# Altium PCB Mixed Signal Board Project_final.PcbDoc (part 1 of 3)
Units mil, origin at the board's own origin, x right, y up, seen from the top; angles counter-clockwise.
Board outline 2764.84 x 2841.08 mil, 4 copper layers (Top Layer, GND, VCC, Bottom Layer), stack 61.614 mil thick; 189 components, 143 nets, 740 pads, 441 vias.
Unrouted connection lines stored in the file: 1.
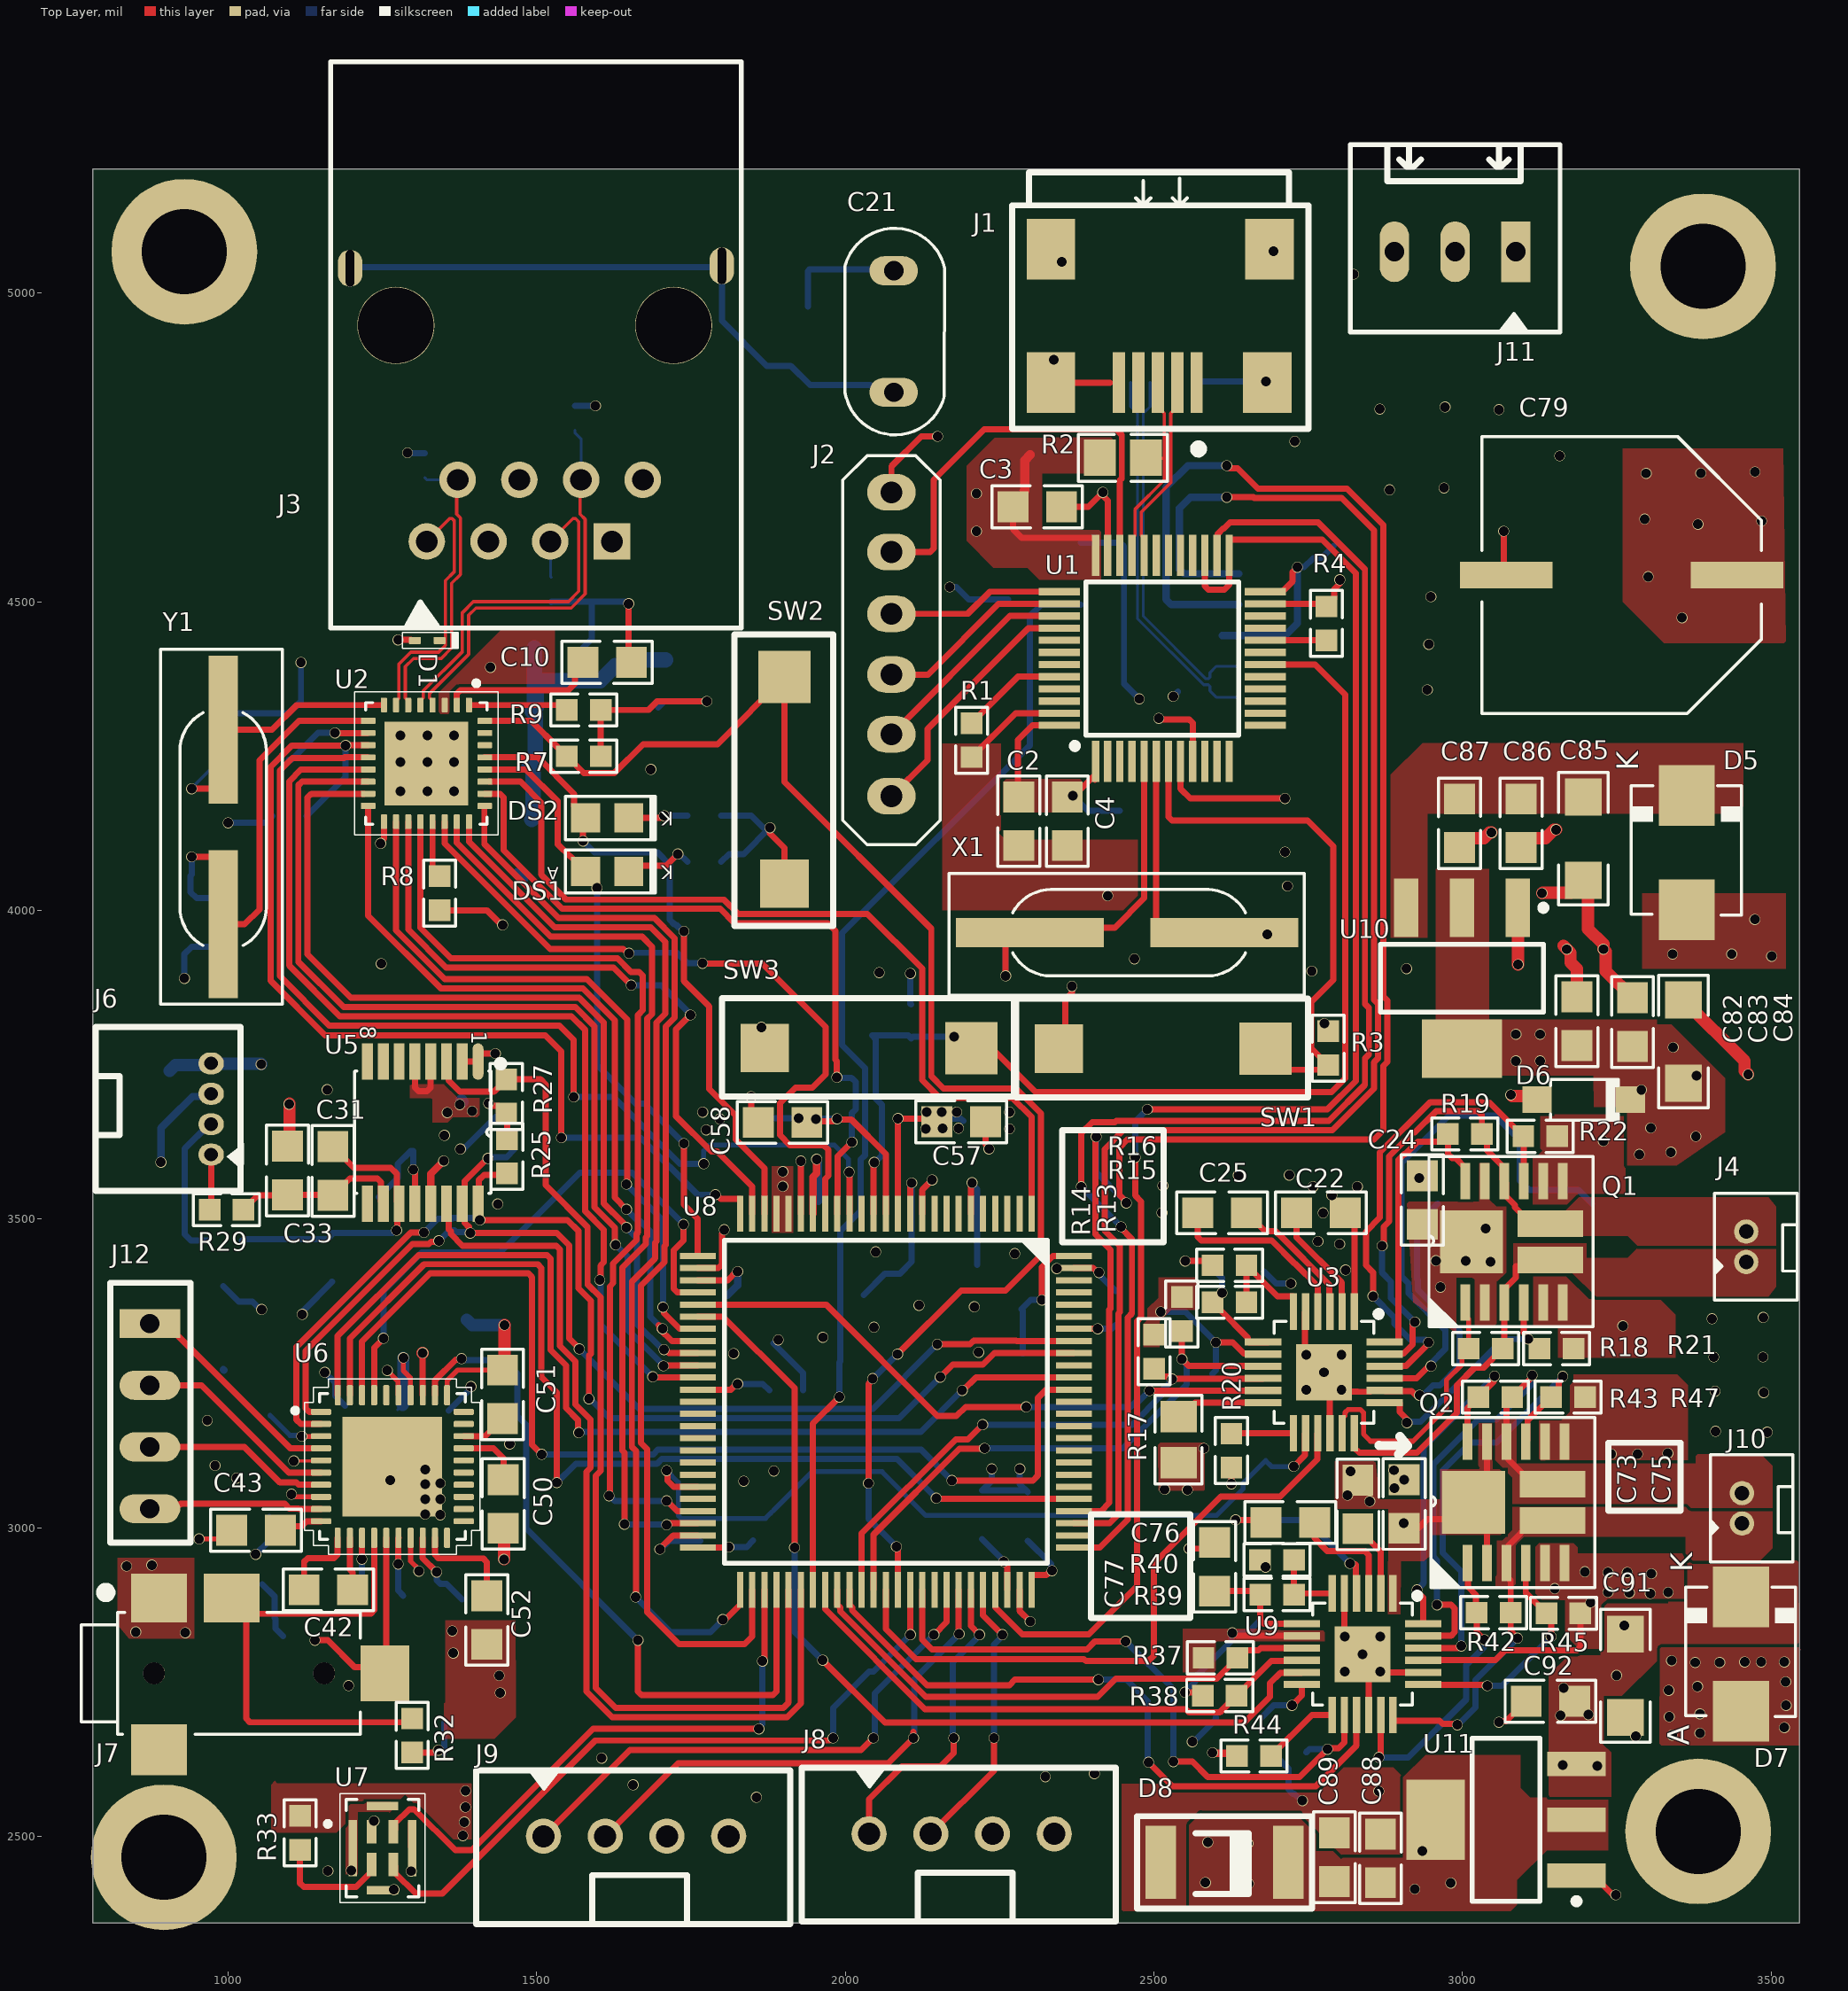
[diagram p0: Top Layer view]
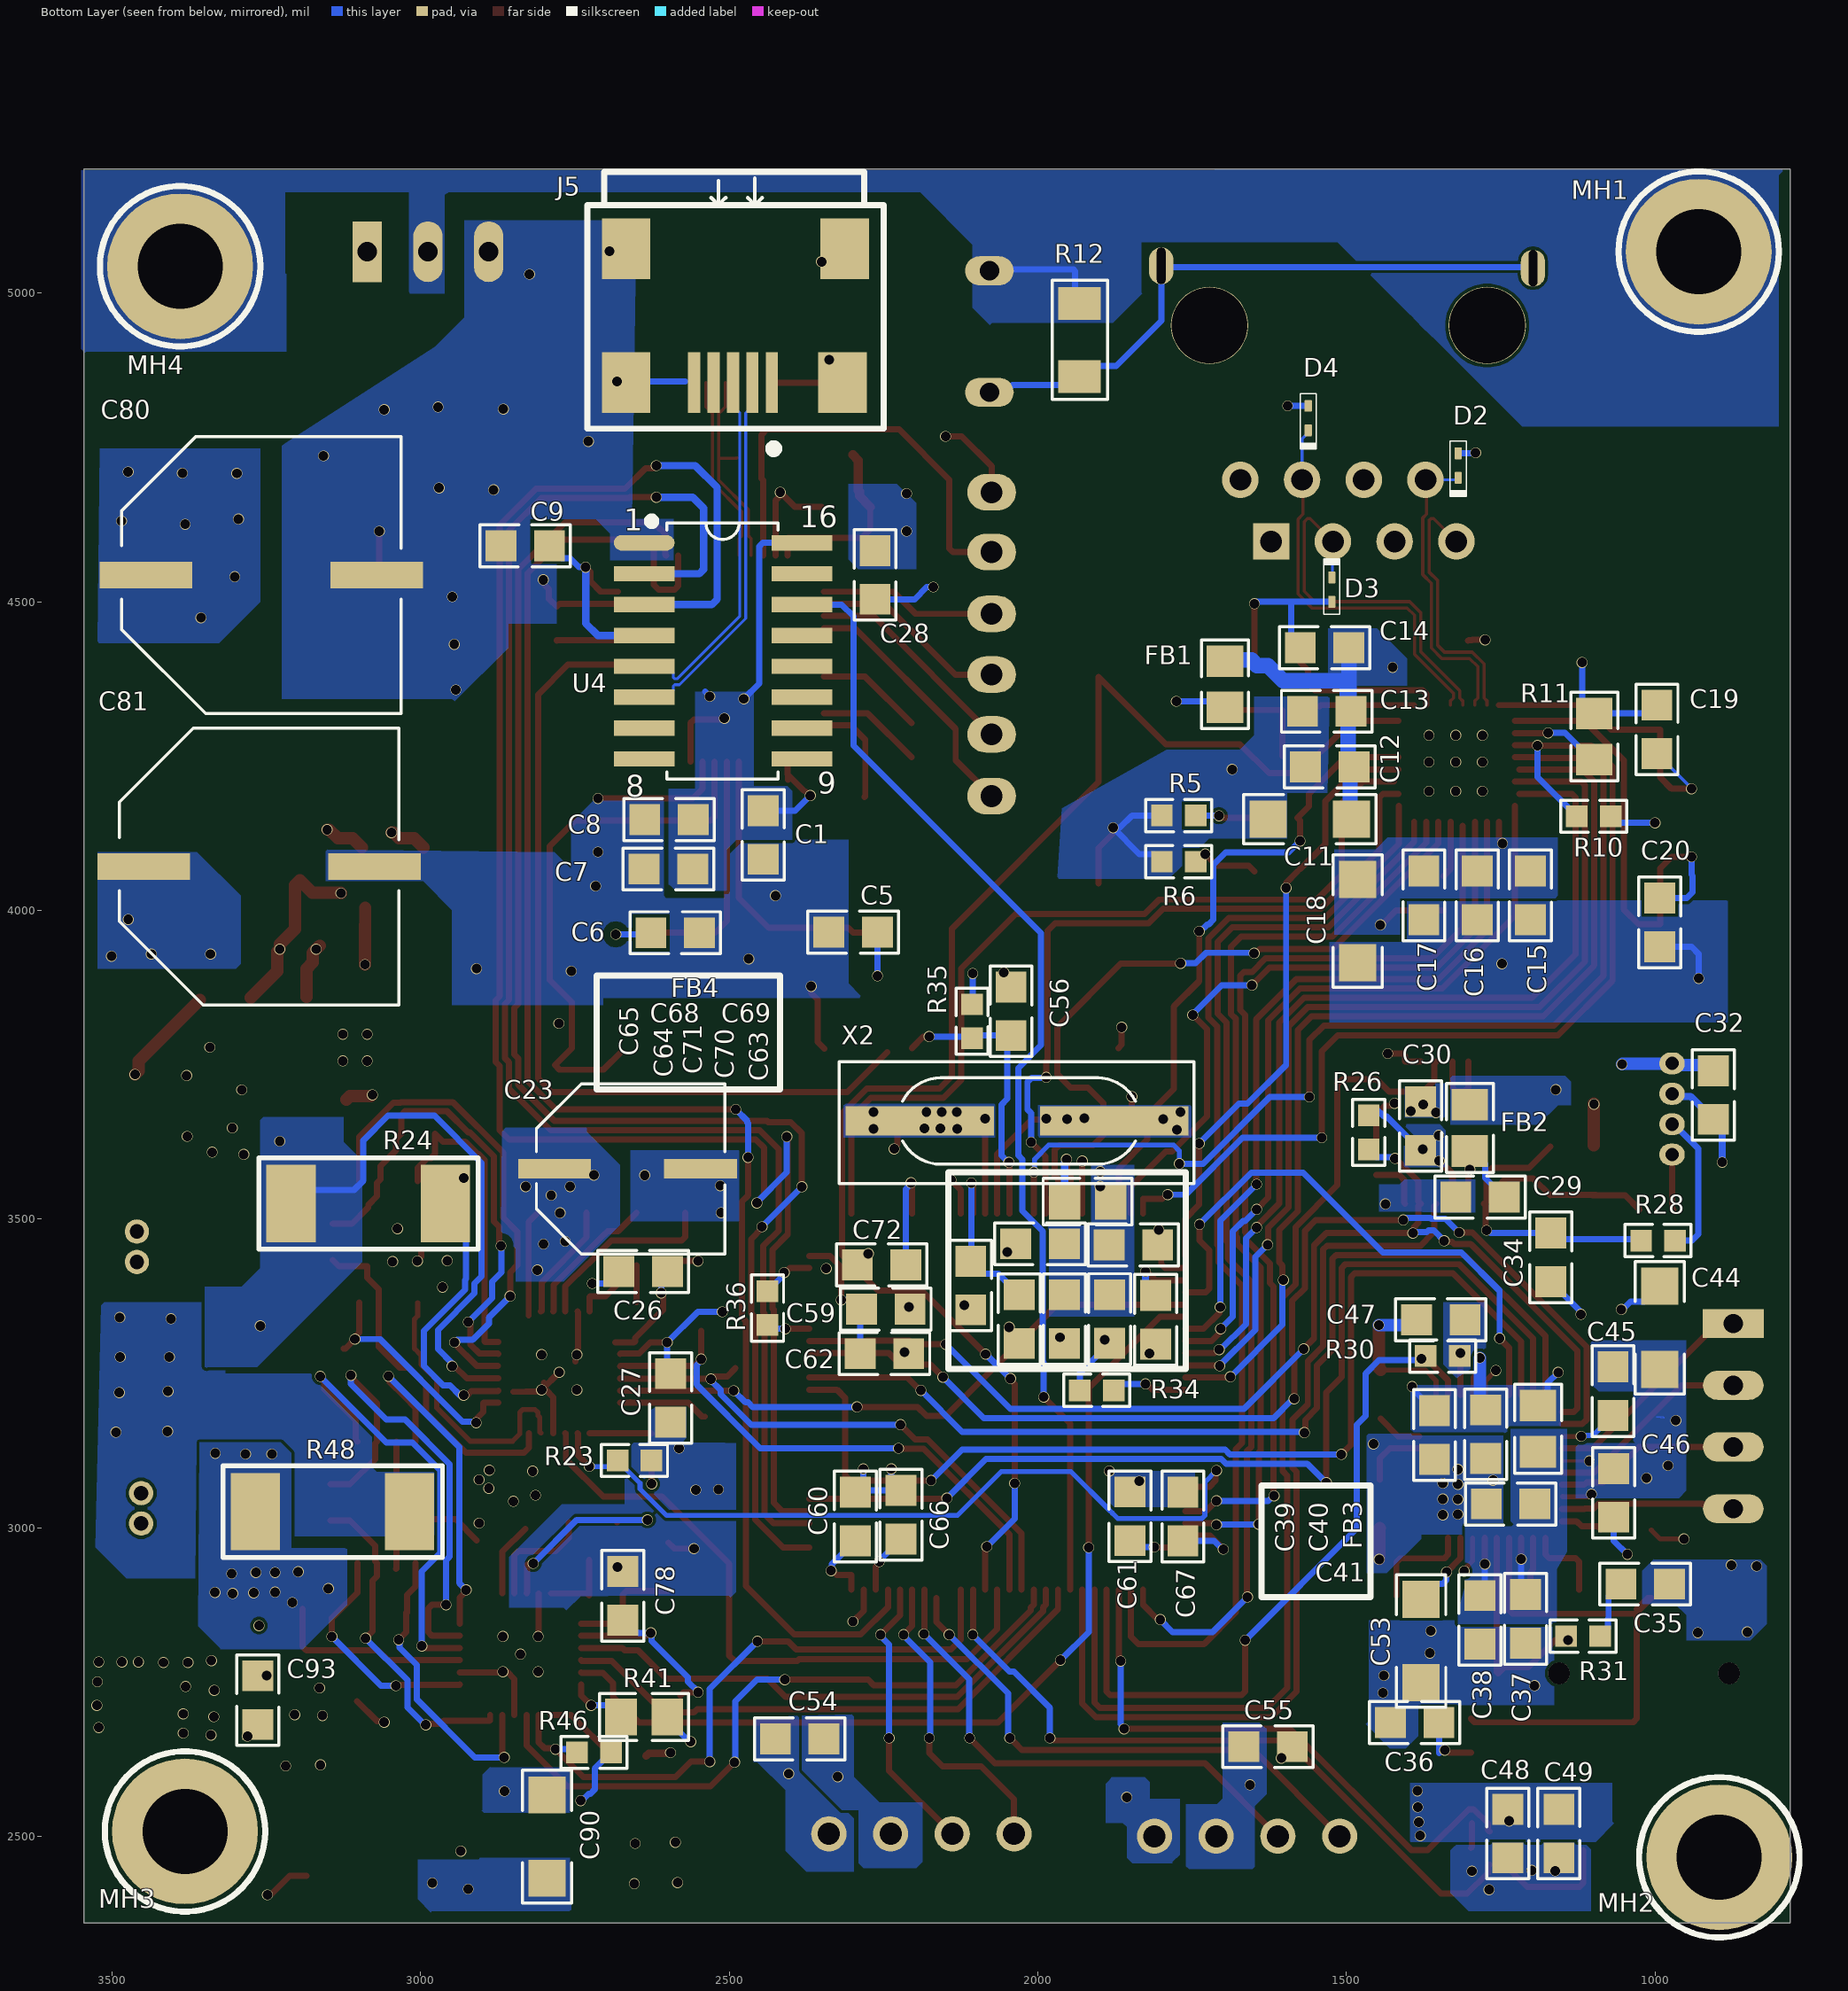
[diagram p1: Bottom Layer view, seen from below]
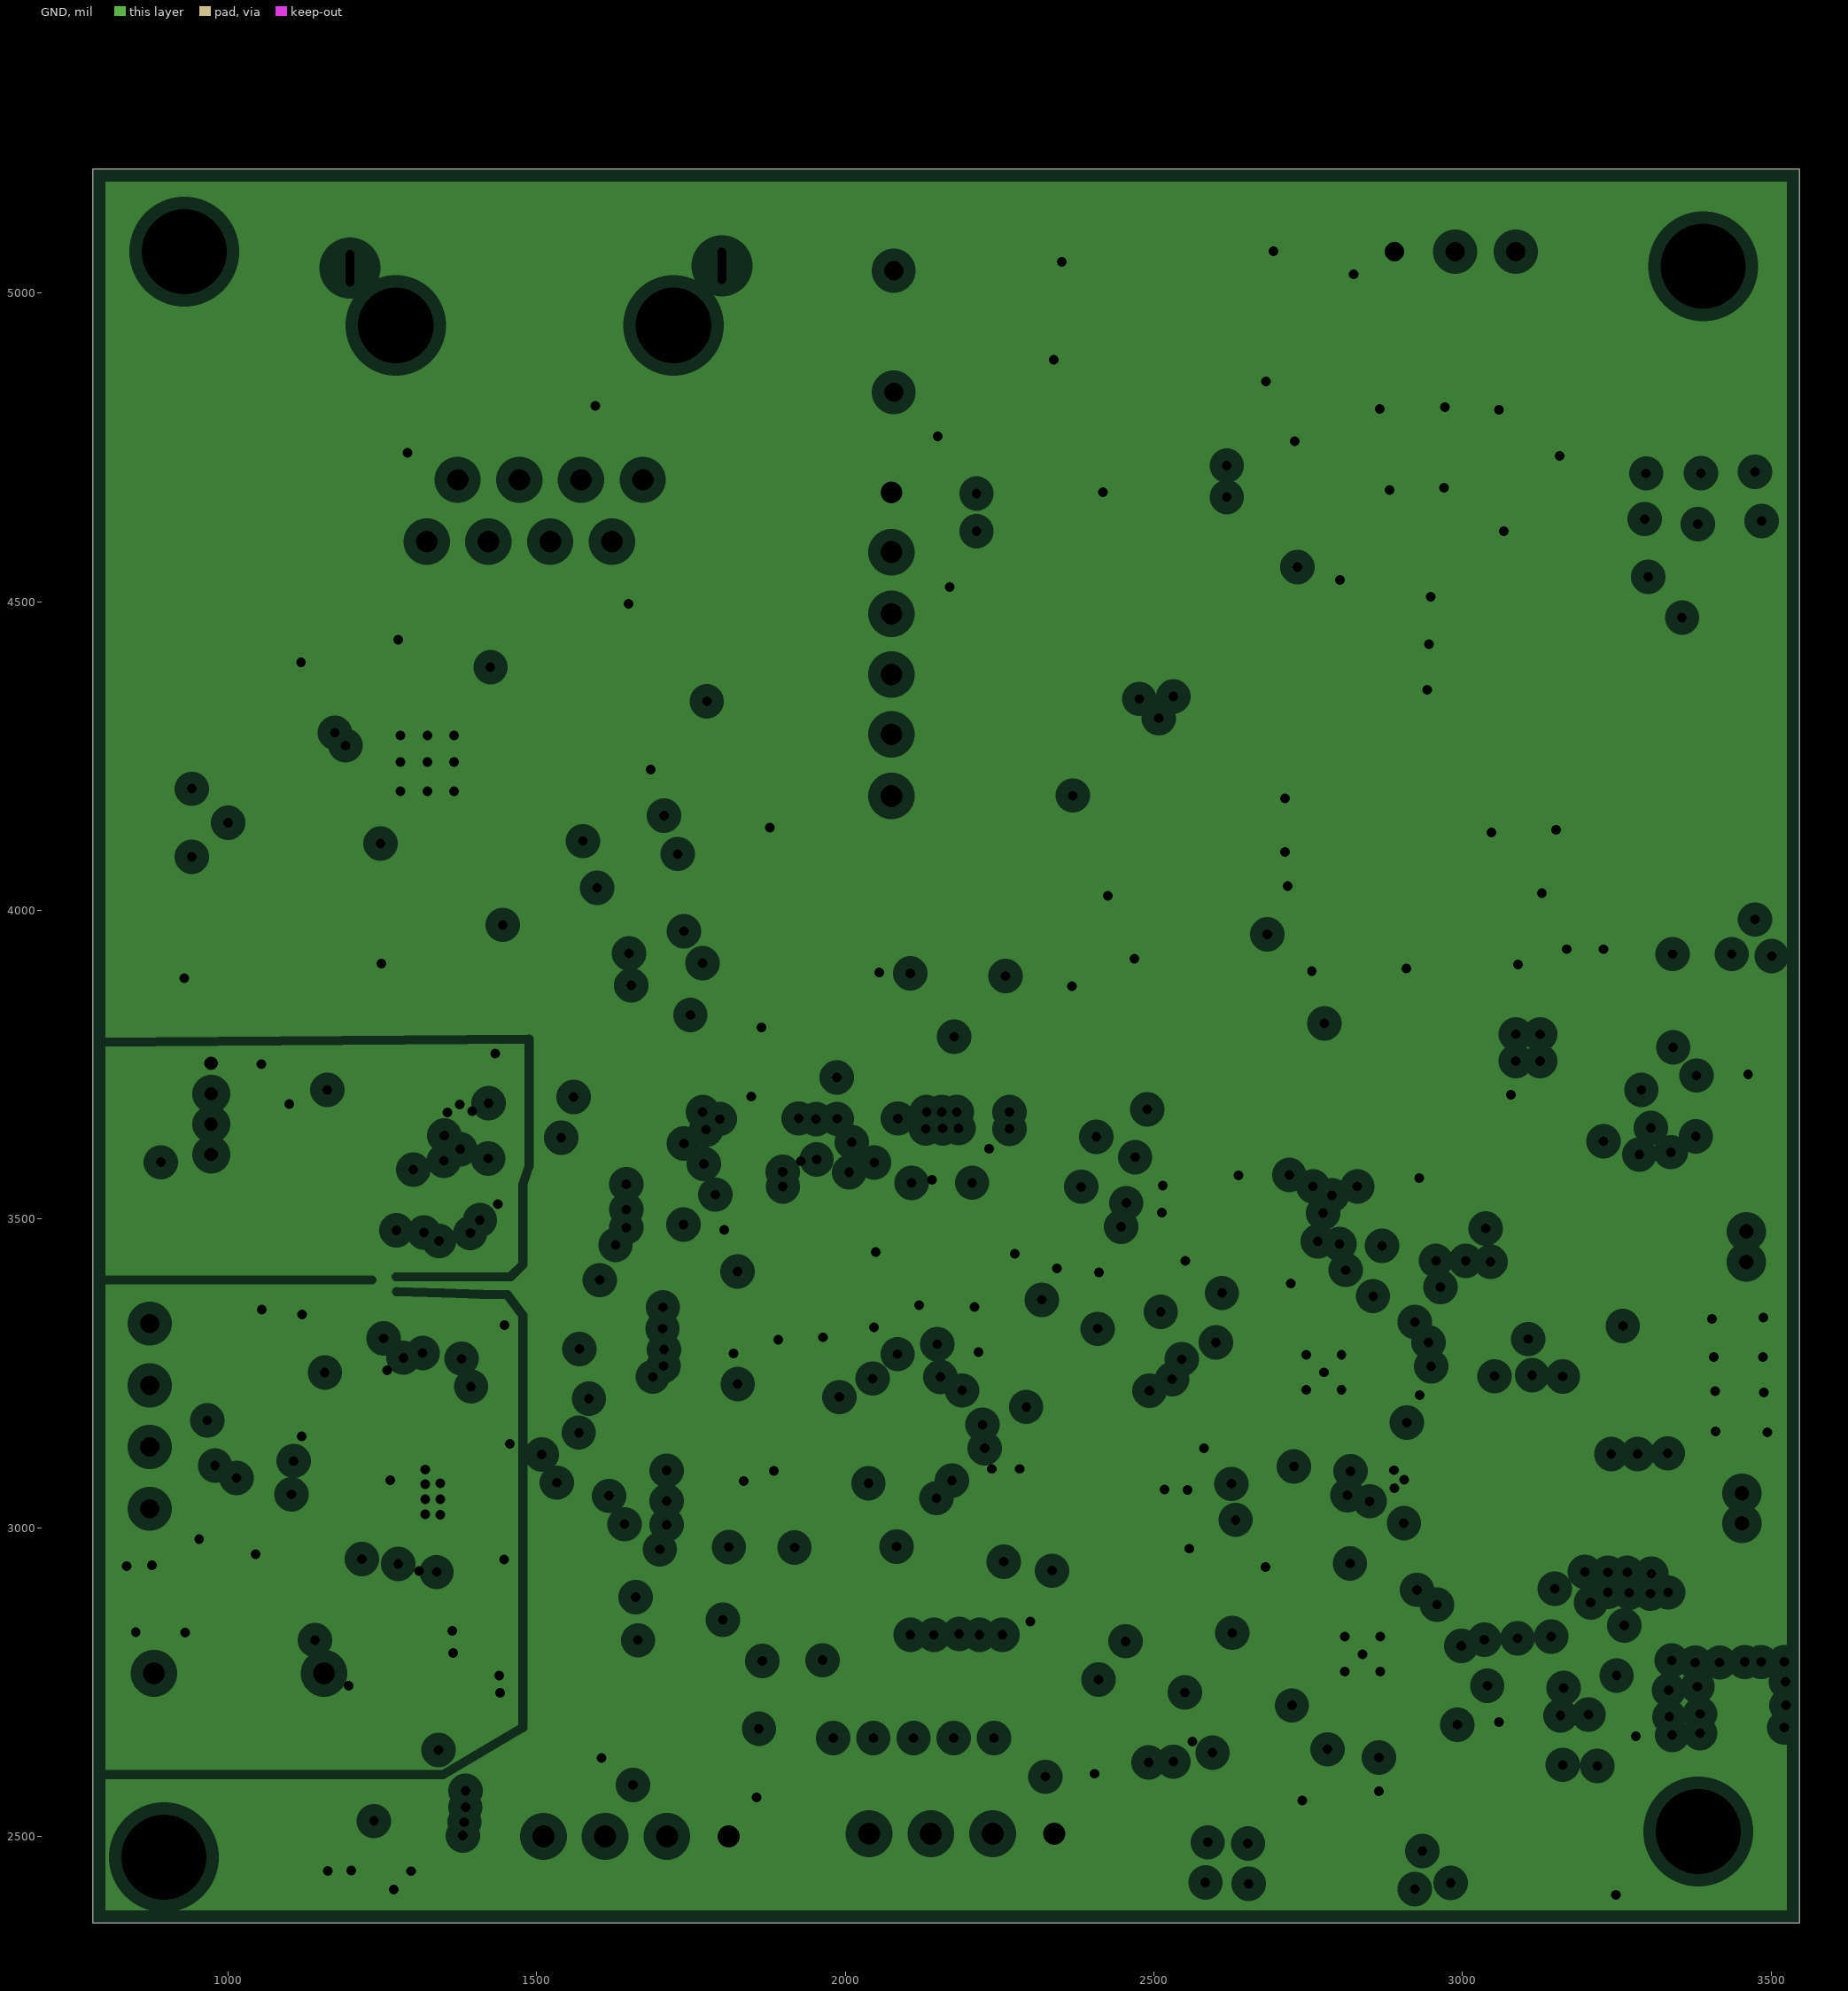
[diagram p2: GND, clearances drawn from the general rule]